# Altium PCB VC_NRF5340.PcbDoc (part 1 of 2)
Units mm, origin at the board's own origin, x right, y up, seen from the top; angles counter-clockwise.
Board outline 36.7 x 19.2 mm, 6 copper layers (Top Layer, Int1 (Sign), Int2 (GND), Int3 (PWR), Int4 (Sign), Bottom Layer), stack 0.94 mm thick; 97 components, 99 nets, 449 pads, 285 vias.
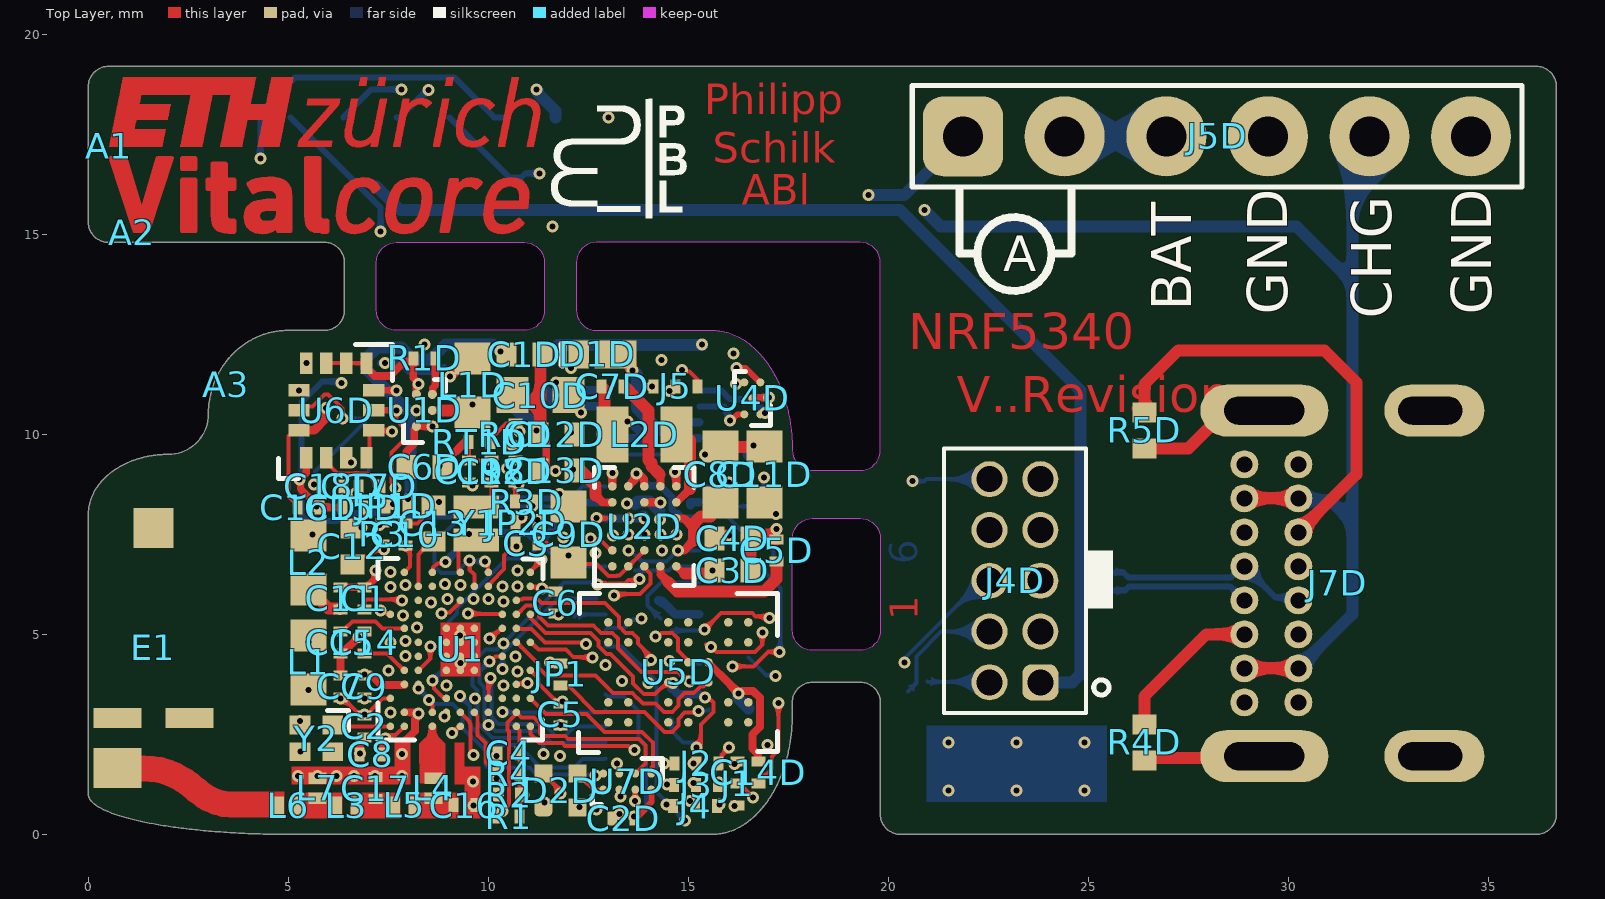
[diagram p0: Top Layer view]
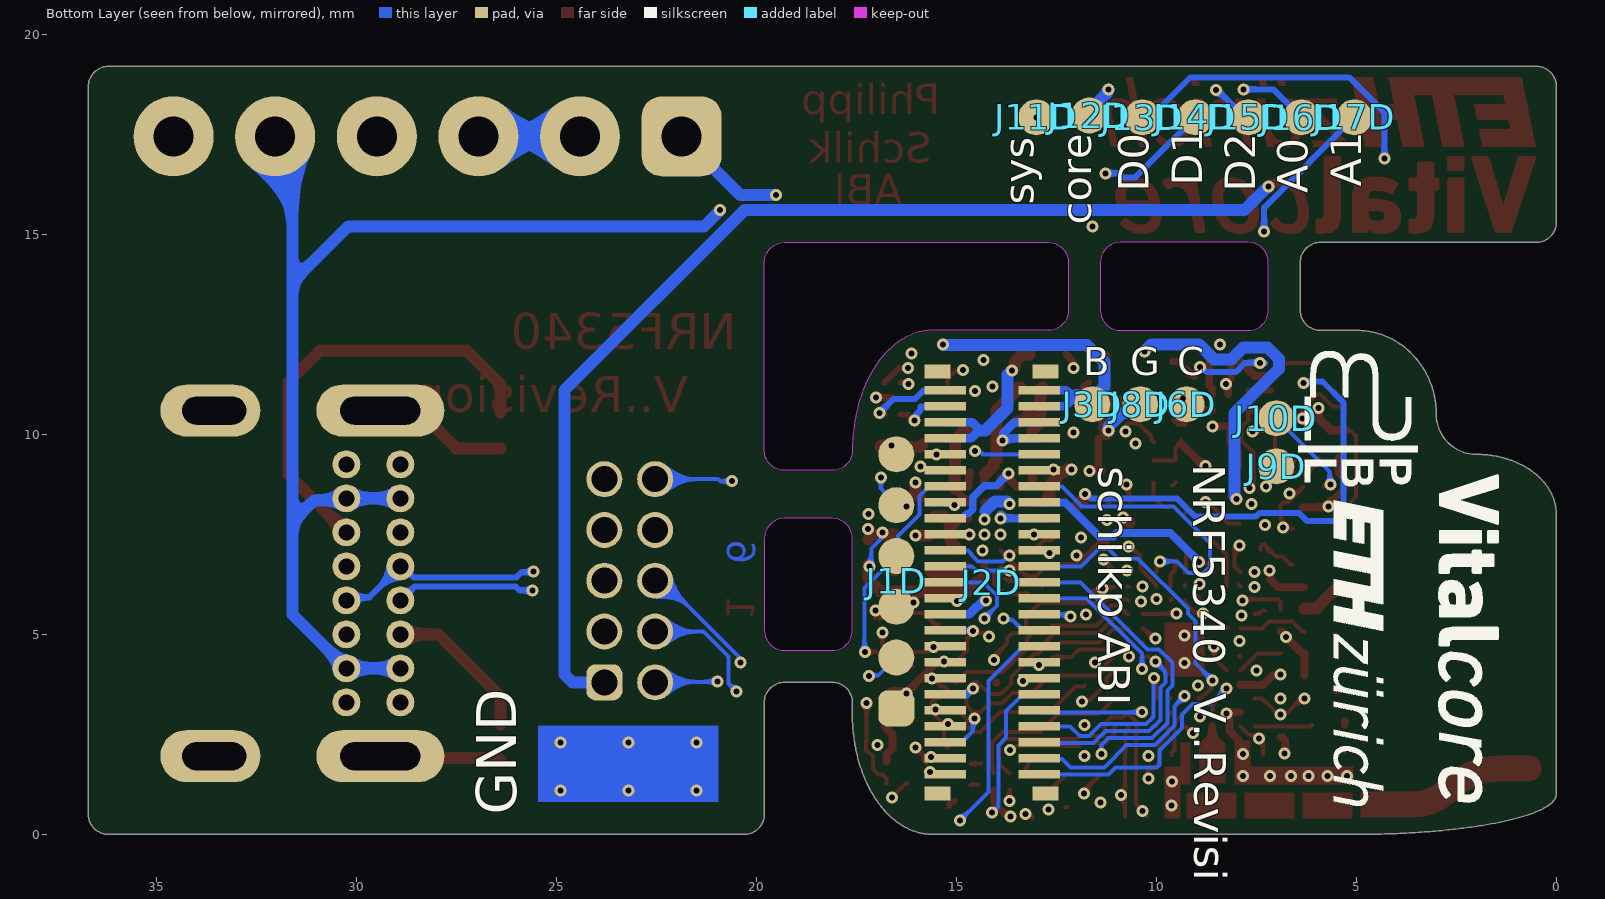
[diagram p1: Bottom Layer view, seen from below]
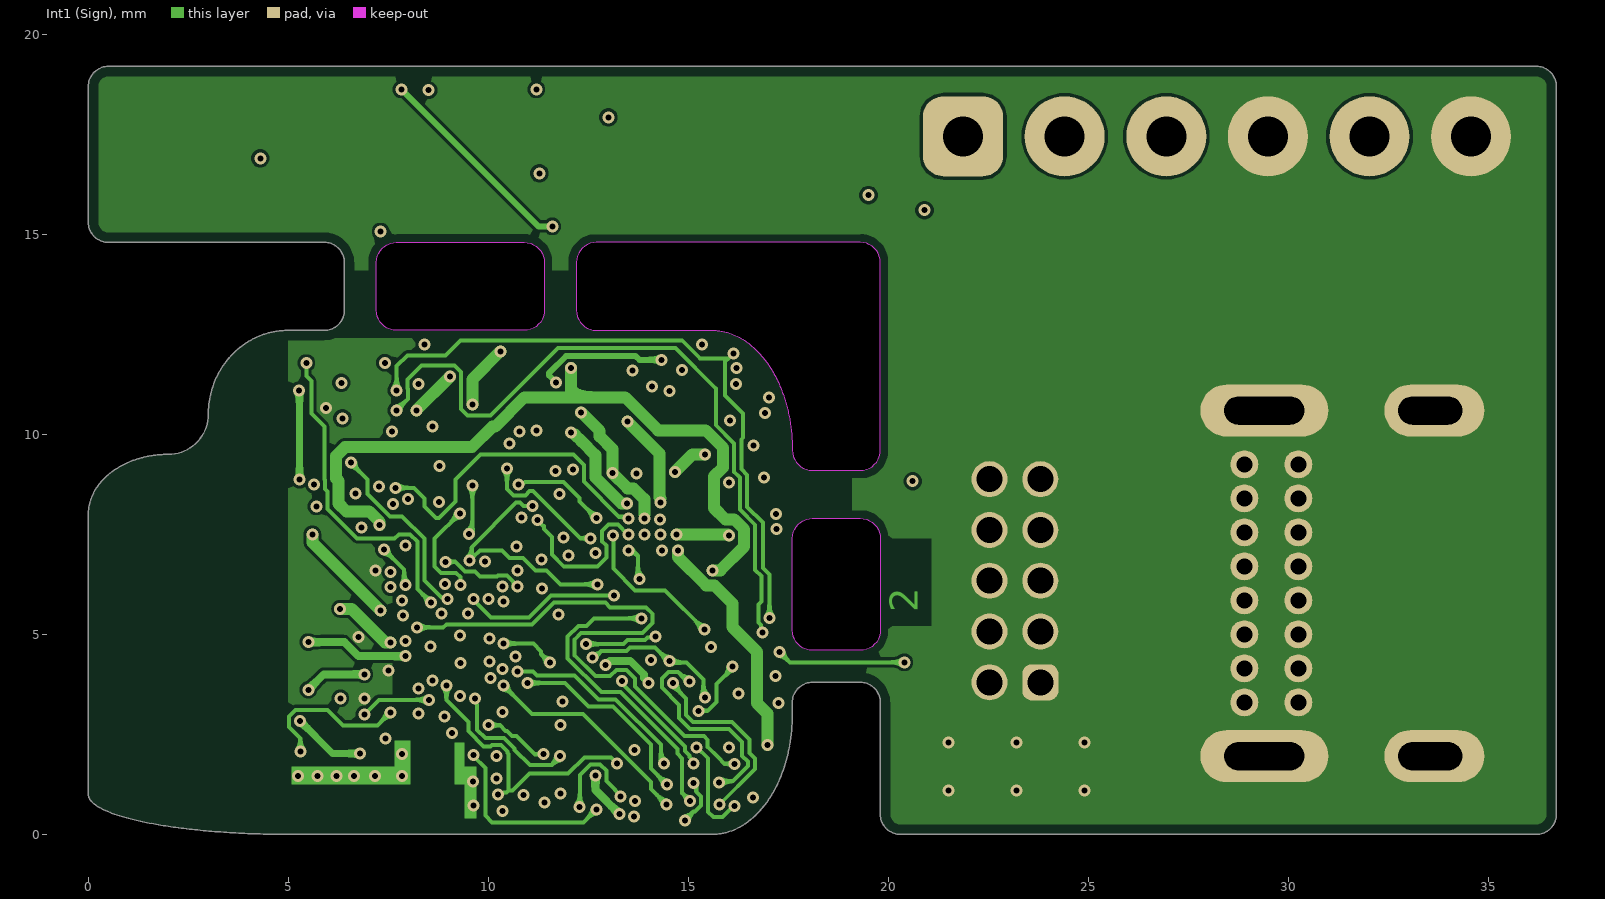
[diagram p2: Int1 (Sign)]
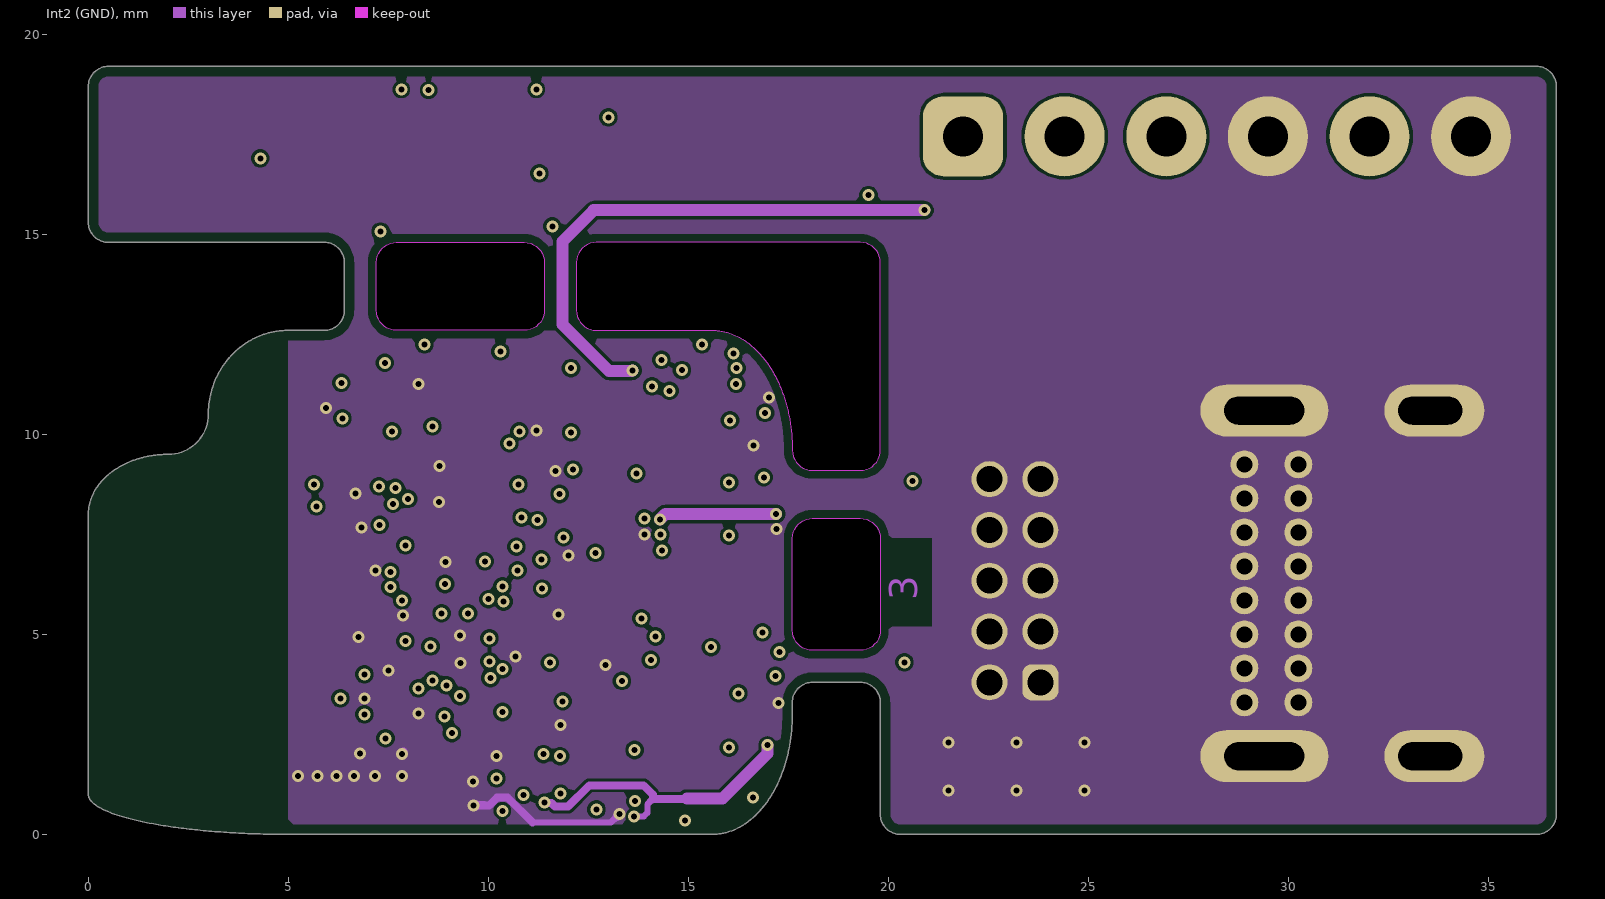
[diagram p3: Int2 (GND)]
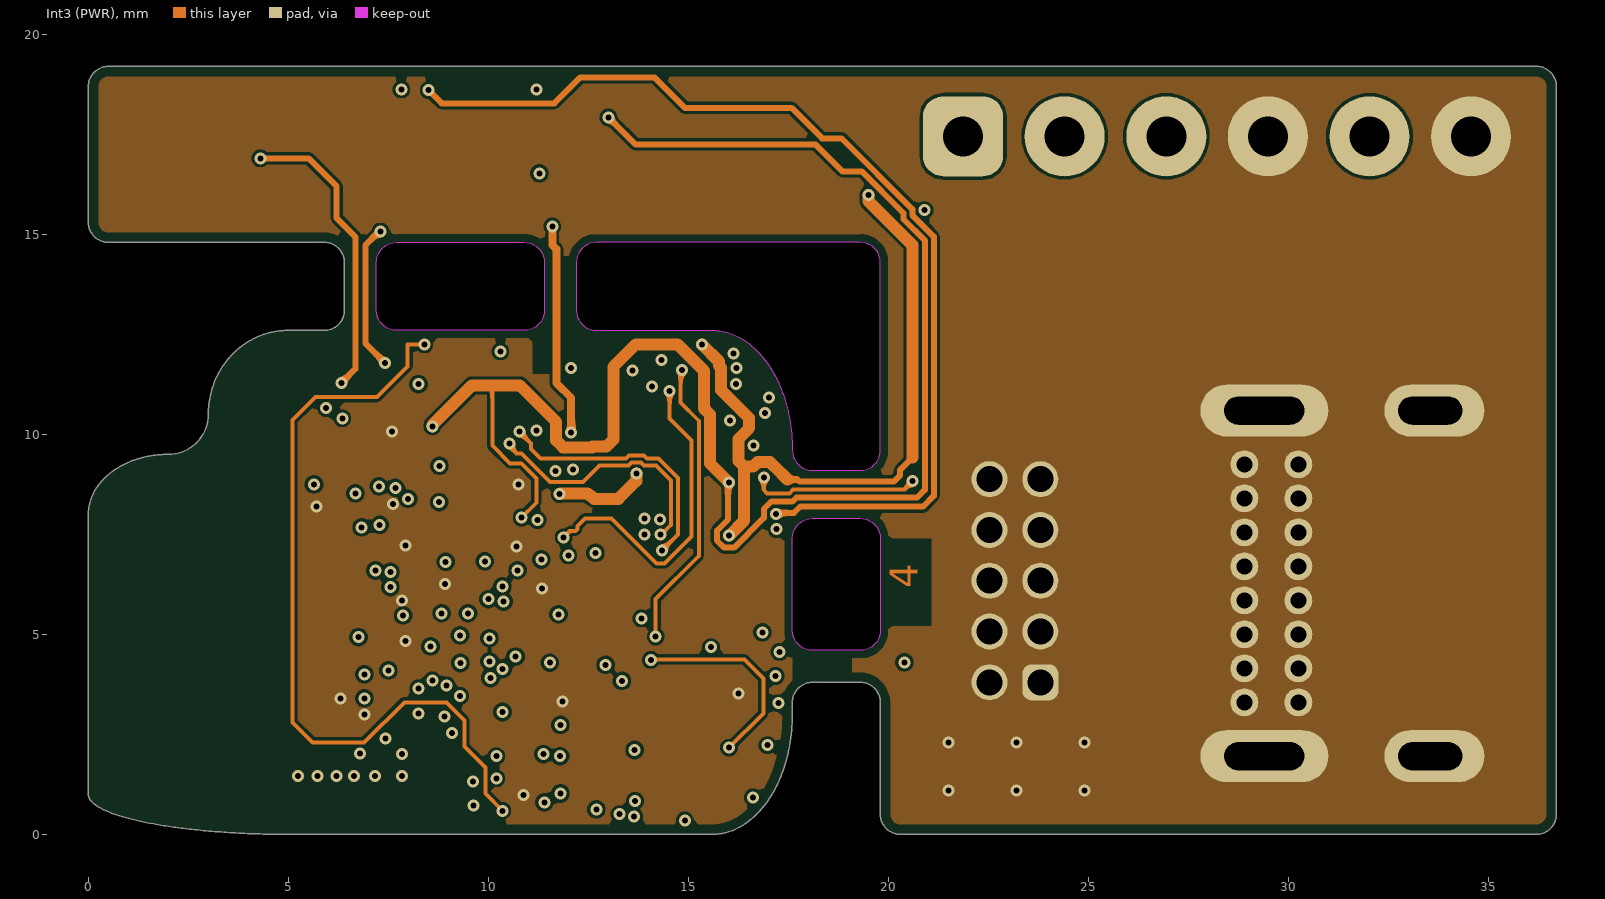
[diagram p4: Int3 (PWR)]
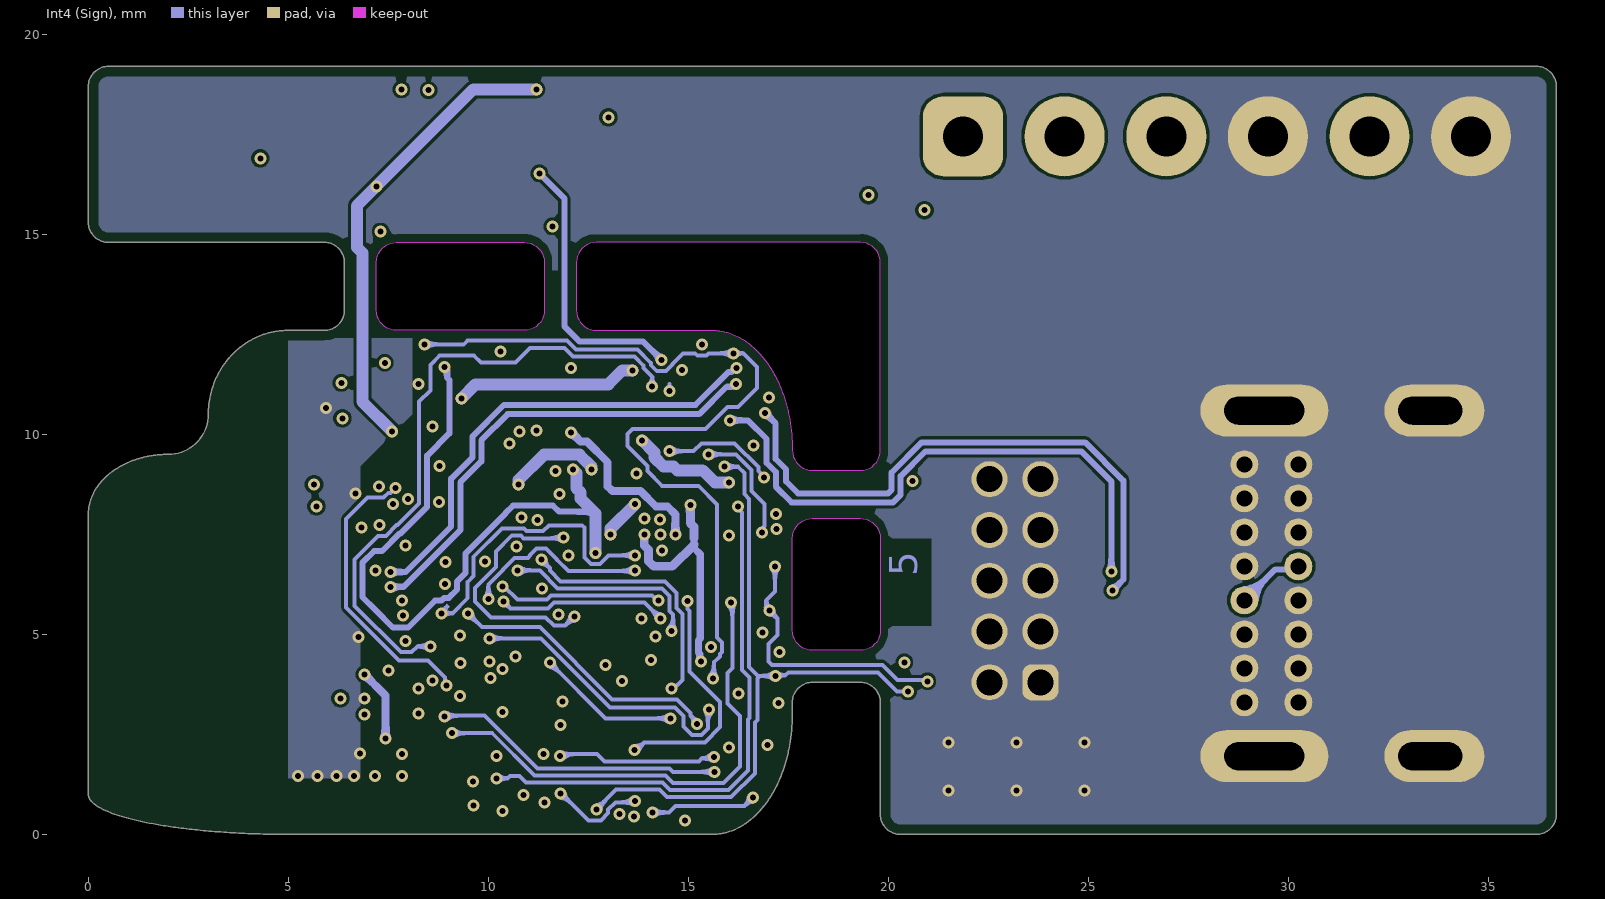
[diagram p5: Int4 (Sign)]

## Layer stack, top to bottom
Top Solder: solder mask 0.001, SM-001, Dk 4
Top Layer: signal copper 0.035
Dielectric 1: prepreg 0.11, PP-006, Dk 4.29
Int1 (Sign): signal copper 0.035
Core 1: core 0.2, Core-035, Dk 4.7
Int2 (GND): signal copper 0.035
Dielectric 2: prepreg 0.055, PP-015, Dk 4.3
Dielectric 3: prepreg 0.055, PP-015, Dk 4.3
Int3 (PWR): signal copper 0.035
Dielectric 4: core 0.2, Core-035, Dk 4.7
Int4 (Sign): signal copper 0.035
Dielectric 5: prepreg 0.11, PP-006, Dk 4.29
Bottom Layer: signal copper 0.035
Board Layer Stack Bottom Solder: solder mask 0.001, SM-001, Dk 4

## Board outline
424 vertices, not listed, extent 0,0 36.7,19.2
cut-out: 17.6,5.1 17.6,7.4 cw(c18.1,7.4) 18.1,7.9 19.3,7.9 cw(c19.3,7.4) 19.8,7.4 19.8,5.1 cw(c19.3,5.1) 19.3,4.6 18.1,4.6 cw(c18.1,5.1)
cut-out: 7.7,12.6 cw(c7.7,13.1) 7.2,13.1 7.2,14.3 cw(c7.7,14.3) 7.7,14.8 10.9,14.8 cw(c10.9,14.3) 11.4,14.3 11.4,13.1 cw(c10.9,13.1) 10.9,12.6
cut-out: 16.564,12.229 16.591,12.206 16.618,12.182 16.645,12.158 16.672,12.133 16.698,12.107 16.724,12.081 16.75,12.054 16.776,12.027 16.801,11.999 16.826,11.97 16.85,11.941 16.875,11.912 16.899,11.881 16.923,11.85 16.946,11.819 16.969,11.787 16.992,11.754 17.014,11.721 17.036,11.688 17.058,11.654 17.079,11.619 17.1,11.584 17.121,11.548 17.141,11.512 17.161,11.476 17.18,11.439 17.199,11.401 17.218,11.363 17.236,11.325 17.254,11.286 17.272,11.247 17.289,11.207 17.305,11.167 17.321,11.127 17.337,11.086 17.353,11.045 17.368,11.004 17.382,10.962 17.396,10.92 17.41,10.877 17.423,10.835 17.436,10.791 17.448,10.748 17.46,10.704 17.471,10.66 17.482,10.616 17.492,10.572 17.502,10.527 17.512,10.482 17.521,10.437 17.529,10.392 17.537,10.346 17.545,10.3 17.552,10.254 17.558,10.208 17.565,10.162 17.57,10.116 17.575,10.069 17.58,10.023 17.584,9.976 17.588,9.929 17.591,9.882 17.594,9.835 17.596,9.788 17.598,9.741 17.599,9.694 17.6,9.647 17.6,9.6 ccw(c18.1,9.6) 18.1,9.1 19.3,9.1 ccw(c19.3,9.6) 19.8,9.6 19.8,14.3 ccw(c19.3,14.3) 19.3,14.8 12.7,14.8 ccw(c12.7,14.3) 12.2,14.3 12.2,13.1 ccw(c12.7,13.1) 12.7,12.6 15.6,12.6 15.631,12.6 15.663,12.599 15.694,12.597 15.726,12.594 15.757,12.591 15.788,12.587 15.819,12.582 15.851,12.576 15.882,12.57 15.913,12.563 15.944,12.555 15.975,12.547 16.006,12.538 16.036,12.528 16.067,12.517 16.097,12.506 16.128,12.494 16.158,12.481 16.188,12.467 16.218,12.453 16.248,12.438 16.277,12.423 16.307,12.406 16.336,12.389 16.365,12.372 16.394,12.353 16.423,12.334 16.452,12.314 16.48,12.294 16.508,12.273 16.536,12.251

## Design rules (kind name [scope] priority, off if disabled: settings)
BoardOutlineClearance BoardOutlineClearance_Antenna [HasFootprint('NN03-320')] p1: gap=0 ignorepadtopadclearanceinfootprint=FALSE
BoardOutlineClearance BoardOutlineClearance_Polygon [IsPolygon] p2: gap=0.25 ignorepadtopadclearanceinfootprint=FALSE
BoardOutlineClearance [All] p3: gap=0.2 ignorepadtopadclearanceinfootprint=FALSE
Clearance [All] p1: gap=0.076 ignorepadtopadclearanceinfootprint=FALSE
ComponentClearance ComponentClearance_1 [HasFootprint('Jumper 3 pins - 0201') vs HasFootprint('Jumper 3 pins - 0201')] p1: gap=0.19 collisioncheckmode=3 verticalgap=0.254 showdistances=FALSE
ComponentClearance ComponentClearance_RF [All vs (HasFootprint('CAP_0201_RF_WIDE') OR HasFootprint('IND_0201_MURATA_LQW03AW')) OR (HasFootprint('CAP_0201_DNP'))] p2: gap=0.2 collisioncheckmode=3 verticalgap=0.254 showdistances=FALSE donotcheckwithout3dbody=TRUE
ComponentClearance [All] p3: gap=0.2 collisioncheckmode=3 verticalgap=0.254 showdistances=FALSE
DiffPairsRouting DiffPairsRouting_USB_Impedi [InNetClass('USB')  And OnMid] p1: maxlimit=0.254 minlimit=0.127 mostfreqgap=0.254 midlayer2_maxgap=0.127 midlayer2_prefgap=0.127 midlayer2_minwidth=0.119 midlayer2_maxwidth=0.119 midlayer2_prefwidth=0.119 midlayer4_maxgap=0.127 midlayer4_prefgap=0.127 midlayer4_minwidth=0.15 midlayer4_maxwidth=0.15 midlayer4_prefwidth=0.15 impedanceprofiledriven=TRUE impedanceprofileid={D43276B2-C536-4B96-8A26-9489D75AB45F} impedanceprofilevalue=90.000000 maxuncoupledlength=12.7
DiffPairsRouting DiffPairsRouting_USB_fallback [InNetClass('USB')] p2: maxlimit=0.127 minlimit=0.127 mostfreqgap=0.127 toplayer_minwidth=0.15 toplayer_maxwidth=0.15 toplayer_prefwidth=0.15 midlayer1_minwidth=0.15 midlayer1_maxwidth=0.15 midlayer1_prefwidth=0.15 midlayer2_minwidth=0.15 midlayer2_maxwidth=0.15 midlayer2_prefwidth=0.15 midlayer3_minwidth=0.15 midlayer3_maxwidth=0.15 midlayer3_prefwidth=0.15 midlayer4_minwidth=0.15 midlayer4_maxwidth=0.15 midlayer4_prefwidth=0.15 bottomlayer_minwidth=0.15 bottomlayer_maxwidth=0.15 bottomlayer_prefwidth=0.15 maxuncoupledlength=5
FanoutControl Fanout_BGA [IsBGA] p1: bgadir=Out bgaviamode=Centered fanoutstyle=BGA fanoutdirection=Alternating viagrid=0.025 // Fanout_BGA (Default Rule)
HoleSize [All] p1: absolutevalues=TRUE maxlimit=2.54 minlimit=0.15 maxpercent=80.000 minpercent=20.000
HoleToHoleClearance [All] p1: gap=0.2 allowstackedmicrovias=TRUE
MatchedLengths MatchedLengths_QSPI [InxSignalClass('xSignals_QSPI')] p1: tolerance=1.27 checknetsindiffpair=FALSE checkdiffpairvsdiffpair=TRUE checkxsignals=TRUE checkothers=TRUE
MatchedLengths MatchedLengths_HSPI [InxSignalClass('xSignals_HSPI')] p2: tolerance=1.27 checknetsindiffpair=FALSE checkdiffpairvsdiffpair=TRUE checkxsignals=TRUE checkothers=TRUE
MatchedLengths MatchedLengths_FLASH [InxSignalClass('xSignals_FLASH')] p3: tolerance=1.27 checknetsindiffpair=FALSE checkdiffpairvsdiffpair=TRUE checkxsignals=TRUE checkothers=TRUE
MinimumAnnularRing [All] p1: minimumring=0.074
MinimumSolderMaskSliver MinimumSolderMaskSliver_WaiveLogo [HasFootprint('LOGO_VITALCORE_ETHZ_1.3MM_MASK')] p1: minsoldermaskwidth=0
MinimumSolderMaskSliver [All] p2: minsoldermaskwidth=0.099
PasteMaskExpansion PasteMaskExpansion_RES0201 [HasFootprint('RES0201')] p1: expansion=0
PasteMaskExpansion PasteMaskExpansion_LED [HasFootprint('APG0603RWFTT5MAV')] p2: expansion=0
PasteMaskExpansion PasteMaskExpansion_BlueNRG [HasFootprint('WLCSP49_STM')] p3: expansion=0.01
PasteMaskExpansion PasteMaskExpansion_STML4 [HasFootprint('BGA81N40P9X9_407X436X59N')] p4: expansion=0
PasteMaskExpansion PasteMaskExpansion_CAP0201 [HasFootprint('CAP0201')] p5: expansion=0
PasteMaskExpansion [All] p6: expansion=-0.025
PlaneClearance [All] p1: clearance=0.1
PlaneConnect PlaneConnect_1 [All] p1: planeconnectstyle=Relief reliefexpansion=0.508 reliefentries=4 reliefconductorwidth=0.254 reliefairgap=0.254
PolygonConnect PolygonConnect_1 [All] p1: thpad.connectstyle=Direct thpad.reliefconductorwidth=0.15 thpad.reliefentries=4 thpad.polygonreliefangle="90 Angle" thpad.airgapwidth=0.15 smdpad.connectstyle=Relief smdpad.reliefconductorwidth=0.254 smdpad.reliefentries=4 smdpad.polygonreliefangle="90 Angle" smdpad.airgapwidth=0.254 via.connectstyle=Direct via.reliefconductorwidth=0.15 via.reliefentries=4 via.polygonreliefangle="90 Angle" via.airgapwidth=0.1
RoutingCorners [All] p1: cornerstyle=45-Degree minsetback=0.1 maxsetback=2
RoutingVias [IsMicroVia] p1: holewidth=0.2 width=0.5 viastyle="Through Hole" minholewidth=0.1 minwidth=0.2 maxholewidth=0.6 maxwidth=0.9
RoutingVias RoutingVias_1 [All] p2: holewidth=0.711 width=1.27 viastyle="Through Hole" minholewidth=0.15 minwidth=0.3 maxholewidth=0.711 maxwidth=1.27
SMDEntry [All] p1: side=TRUE corner=TRUE anyangle=TRUE
SilkToSilkClearance [All] p1: silktosilkclearance=0.01
SilkToSolderMaskClearance [IsPad] p1: minsilkscreentomaskgap=0.01 clearancetoexposedcopper=TRUE
SolderMaskExpansion SolderMaskExpansion_Vias [IsVia] p1: expansion=0.102 istentingtop=TRUE
SolderMaskExpansion [All] p2: expansion=0 istentingtop=FALSE
Width Width_WaiveLogo [HasFootprint('LOGO_VITALCORE_2MM')] p1: maxlimit=0.254 minlimit=2539.975 preferedwidth=0.254 toplayer_minwidth=0 midlayer1_minwidth=0 midlayer2_minwidth=0 midlayer3_minwidth=0 midlayer4_minwidth=0 bottomlayer_minwidth=0 minimp=50.000000 maximp=50.000000 favimp=50.000000
Width [All] p2: maxlimit=2 minlimit=0.076 preferedwidth=0.15
18 further rules are at their usual default settings.

## Classes and differential pairs
component class VC_NRF5340: A1 A2 A3
component class NRF5340_VC_Power: C1D C3D C4D C5D C6D C7D C8D C9D C10D C11D C12D C13D JP1D JP2D L1D L2D R1D R2D R3D R6D RT1D U1D U2D
component class NRF5340_VC_Peripherals: C2D C14D C15D C16D C17D C18D D2D J9D J10D U5D U6D U7D
component class NRF5340_VC_PanelCons: J4D J5D J7D J11D J12D J13D J14D J15D J16D J17D R4D R5D
component class NRF5340_VC_Interface: D1D J1D J2D J3D J6D J8D U4D
component class SoC: C1 C2 C3 C4 C5 C6 C7 C8 C9 C10 C11 C12 C13 C14 C15 C16 C17 C18 C19 E1 J1 J2 J3 J4 J5 JP1 L1 L2 L3 L4 L5 L6 L7 R1 R2 R3 R4 U1 Y1 Y2
net class 50OHM: GND NetC16_2 NetC17_2 NetE1_1 NetL3_2 NetL4_1
differential pair EXT_USB: +EXT_USB_P -EXT_USB_N
differential pair USB: +USB_P -USB_N

## Components (designator, comment, footprint, x,y, rotation, side; value= is the part's Value field where it differs from the comment)
A1 "Logo ETH Zurich" LOGO_ETHZ_2MM 0.525,17.2 r0 top
A2 "Logo VitalCore" LOGO_VITALCORE_2MM 1.1,15.05 r0 top
A3 "Logo Vitalcore ETH" LOGO_VITALCORE_ETHZ_1.3MM_MASK 3.45,11.25 r270 top
C1 "100 nF" CAP_0201 6.9,5.9 r270 top
C1D "22µF" CAP_0402 10.9,12 r180 top
C2 "100 nF" CAP_0201 6.9,2.7 r90 top
C2D "100 nF" CAP_0201 13.375,0.4 r0 top
C3 "100 nF" CAP_0201 10.95,7.275 r180 top
C3D "4.7µF" CAP_0402 16.1,6.6 r180 top
C4 "100 nF" CAP_0201 10.508,2.027 r0 top
C4D "4.7µF" CAP_0402 16.1,7.4 r180 top
C5 "100 nF" CAP_0201 11.8,3 r90 top
C5D "1µF" CAP_0201 17.2,7.1 r270 top
C6 "100 nF" CAP_0201 11.676,5.794 r90 top
C6D "10µF" CAP_0402 8.4,9.19 r180 top
C7 "1µF" CAP_0201 6.3,3.7 r270 top
C7D "3.3nF" CAP_0201 13.1,11.2 r0 top
C8 "1µF" CAP_0201 7.05,2 r0 top
C8D "22µF" CAP_0603 15.8,9 r270 top
C9 "2.2nF" CAP_0201 6.9,3.7 r90 top
C9D "22µF" CAP_0603 12,7.5 r90 top
C10 "1µF" CAP_0201 7.925,7.5 r270 top
C10D "22µF" CAP_0603 11.305,10.978 r0 top
C11 "1µF" CAP_0201 6.3,5.9 r270 top
C11D "22µF" CAP_0603 16.9,9 r270 top
C12 "4.7µF" CAP_0402 6.6,7.2 r270 top
C12D "4.7µF" CAP_0402 11.7,10 r0 top
C13 "4.7µF" CAP_0402 8.625,7.775 r270 top
C13D "4.7µF" CAP_0402 11.7,9.1 r0 top
C14 "100 nF" CAP_0201 6.9,4.8 r270 top
C14D "100 nF" CAP_0201 16.75,1.55 r90 top
C15 "1µF" CAP_0201 6.3,4.8 r90 top
C15D "100 nF" CAP_0201 6.625,8.175 r180 top
C16 "0.7pF" CAP_0201 9.4,0.731 r180 top
C16D "100 nF" CAP_0201 5.5,8.175 r0 top
C17 "DNP" CAP_0201_DNP 7.181,1.157 r270 top
C17D "110pF" CAP_0201 7.025,8.7 r0 top
C18 "DNP" CAP_0201_DNP 10.075,9.075 r270 top
C18D "110pF" CAP_0201 6.1,8.7 r180 top
C19 "DNP" CAP_0201_DNP 9.522,9.075 r270 top
D1D "NSR20F30NXT5G" DSN2_ONSemi 12.9,12 r0 top
D2D "SML-LX0404SIUPGUSB" SML-LX0404SIUPGUSB 11.8,1.1 r90 top
E1 "NN03-320" NN03-320 0.124,8.163 r90 top
J1 "Solder Jumper" JMP_0201_3WAY 16.227,1.267 r90 top
J1D "SWD" CONN_SWD_PADS_P1.27mm 16.5,3.15 r90 bottom
J2 "Solder Jumper" JMP_0201_3WAY 15.2,1.775 r180 top
J2D "Interface" CONN_COMBI_50P 14.1,6.3 r180 bottom
J3 "Solder Jumper" JMP_0201_3WAY 15.192,1.234 r180 top
J3D "BAT+" PADSMD_ROUND 11.6,10.75 r90 bottom
J4 "Solder Jumper" JMP_0201_3WAY 15.171,0.707 r180 top
J4D "ARM SWD 10-pin" CONN_SWD 23.8,3.8 r180 top
J5 "Solder Jumper" JMP_0201_3WAY 14.675,11.2 r180 top
J5D "6Pin" CONN_PINHEADER_6PIN 21.868,17.45 r90 top
J6D "CHG+" PADSMD_ROUND 9.247,10.75 r90 bottom
J7D "213716-0001 USB-C" CONN_USBC_2137160001 29.4,1.955 r90 top
J8D "GND" PADSMD_ROUND 10.4,10.75 r90 bottom
J9D "PADSMD" PADSMD_ROUND 7,9.2 r270 bottom
J10D "PADSMD" PADSMD_ROUND 7,10.4 r270 bottom
J11D "Vsys" PADSMD_ROUND 13,17.925 r90 bottom
J12D "Vcore" PADSMD_ROUND 11.675,17.973 r90 bottom
J13D "D0" PADSMD_ROUND 10.35,17.925 r90 bottom
J14D "D1" PADSMD_ROUND 9.025,17.925 r90 bottom
J15D "D2" PADSMD_ROUND 7.7,17.925 r90 bottom
J16D "A0" PADSMD_ROUND 6.375,17.925 r90 bottom
J17D "A1" PADSMD_ROUND 5.05,17.925 r90 bottom
JP1 "DNF" JMP_0201 11.8,4 r90 top
JP1D "0R" JMP_0201 7.7,8.2 r180 top
JP2D "DNF" JMP_0201 10.95,7.8 r0 top
L1 "10µH" IND_0603 5.5,4.3 r90 top
L1D "2.2µH" IND_0603 9.598,11.225 r270 top
L2 "10µH" IND_0603 5.5,6.8 r90 top
L2D "1.5µH" IND_0805_DFE201210S 13.9,10 r0 top
L3 "5.6nH" IND_0201_MURATA_LQW03AW 6.45,0.725 r180 top
L4 "2.2nH" IND_0201_MURATA_LQW03AW 8.625,1.15 r270 top
L5 "2.2nH" IND_0201_MURATA_LQW03AW 7.9,0.725 r180 top
L6 "5.6nH" IND_0201_MURATA_LQW03AW 5,0.725 r180 top
L7 "5.6nH" IND_0201_MURATA_LQW03AW 5.725,1.15 r270 top
R1 "2.2kR" RES_0201 10.508,0.444 r180 top
R1D "DNP" RES_0201_DNF 8.4,11.9 r0 top
R2 "2.2kR" RES_0201 10.513,0.991 r0 top
R2D "100kR" RES_0201 10.675,9.075 r270 top
R3 "2.2R" RES_0201 7.351,7.515 r270 top
R3D "100kR" RES_0201 10.945,8.319 r180 top
R4 "10kR" RES_0201 10.504,1.511 r0 top
R4D "5K1" RES_0402 26.4,2.3 r90 top
R5D "5K1" RES_0402 26.4,10.1 r90 top
R6D "10kR" RES_0201 10.675,10 r270 top
RT1D "10kR" RES_0201 9.782,9.808 r0 top
U1 "nRF5340-CLAA" NRF5340_WLCSP 9.3,4.625 r90 top
U1D "MAX38640BENT18+T" THIN_WLP_6_MAX38640 8.4,10.6 r90 top
U2D "MAX77654BENV+T" WLP_30_MAX77654 13.1,6.7 r90 top
U4D "PESD1USB30" WLCSP_5_2-1-2_P0.4 16.6,10.9 r90 top
U5D "W25Q256JWYIM" WLCSP_32_W25Q256JWYIM 16.5,5.3 r270 top
U6D "LSM6DSV16BX" LGA-14_STM 6.2,10.6 r270 top
U7D "IS31FL3194" WLCSP_8_P0.4 14.073,1.52 r270 top
Y1 "ECS-.327-9-1210 (32.768kHz)" Y_ECX-1210 9.7,7.775 r270 top
Y2 "ECS-320-7-48B-JTM-TR5 (32MHz)" Y_ECX-1048 5.7,2.4 r180 top
